# Allegro board 1281021_HW-FMC-XM500_Rev1_0.brd (continued)
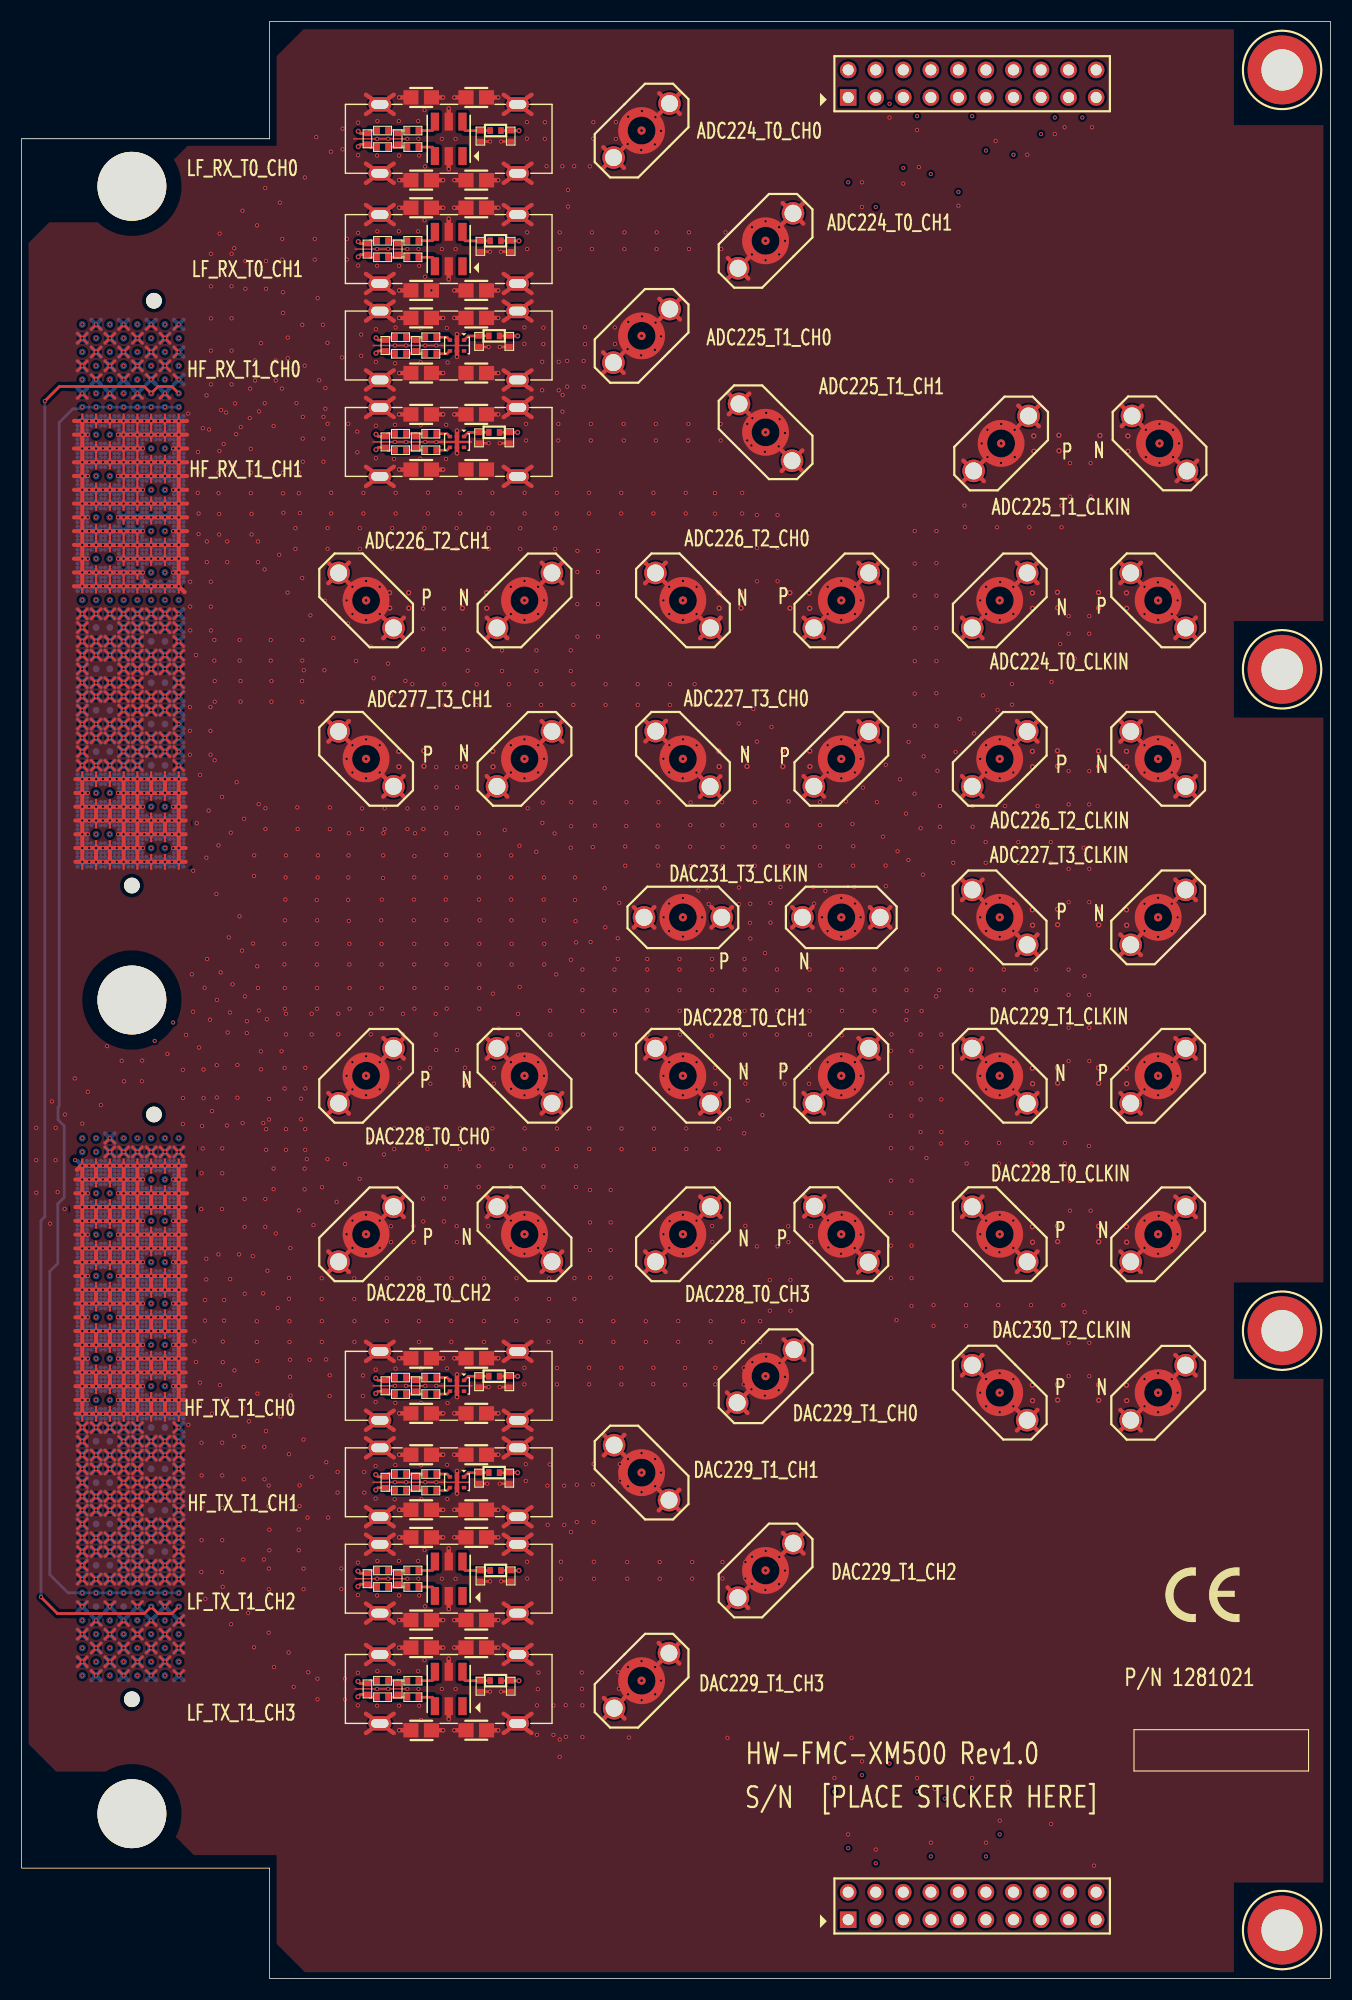
[diagram p0: board, top side]
## Routing (per net, layer and track width the routed paths; a pad name or vN(x,y) marks a point on that pad's centre or on a via; arc(x,y) is an arc through that point) (continued)
; v2(10.67,46.96) 10.23,47.39 ; v2(10.67,46.96) 11.11,46.52 ; v2(10.67,46.96) 10.23,46.52 ; v2(6.86,52.04) 7.3,52.47 ; v2(6.86,52.04) 6.42,52.47 ; v2(6.86,52.04) 6.42,51.6 ; v2(6.86,52.04) 7.3,51.6 ; 8.96,28.34 v2(9.4,27.91) ; v2(9.4,27.91) 9.84,27.47 ; v2(9.4,27.91) 8.96,27.47 ; v2(9.4,27.91) 9.84,28.34 ; 106.36,101.27 J892.2 ; J892.2 106.36,99.37 ; J892.2 108.26,99.37 ; J892.2 108.26,101.27 ; v2(5.59,66.01) 6.03,65.57 ; v2(5.59,66.01) 5.15,66.44 ; v2(5.59,66.01) 6.03,66.44 ; v2(5.59,66.01) 5.15,65.57 ; v2(13.21,143.54) 13.65,143.11 ; v2(13.21,143.54) 12.77,143.11 ; v2(13.21,143.54) 12.77,143.98 ; v2(13.21,143.54) 13.65,143.98 ; v2(5.59,129.57) 6.03,130.01 ; v2(5.59,129.57) 6.03,129.14 ; v2(5.59,129.57) 5.15,130.01 ; v2(5.59,129.57) 5.15,129.14 ; v2(6.86,50.77) 7.3,51.2 ; v2(6.86,50.77) 6.42,51.2 ; v2(6.86,50.77) 6.42,50.33 ; v2(6.86,50.77) 7.3,50.33 ; 14.04,141.84 v2(14.48,142.27) ; v2(14.48,142.27) 14.04,142.71 ; v2(14.48,142.27) 14.92,142.71 ; v2(14.48,142.27) 14.92,141.84 ; RFCAGE5.3 47,143.89 ; RFCAGE5.3 47,145.67 ; RFCAGE5.3 44.44,145.67 ; RFCAGE5.3 44.44,143.89 ; 91.75,94.31 J891.2 ; J891.2 93.65,96.21 ; J891.2 93.65,94.31 ; J891.2 91.75,96.21 ; 5.15,117.31 v2(5.59,116.87) ; v2(5.59,116.87) 6.03,116.44 ; v2(5.59,116.87) 5.15,116.44 ; v2(5.59,116.87) 6.03,117.31 ; 8.96,117.71 v2(9.4,118.14) ; v2(9.4,118.14) 9.84,117.71 ; v2(9.4,118.14) 8.96,118.58 ; v2(9.4,118.14) 9.84,118.58 ; RFCAGE3.4 34.3,49.79 ; RFCAGE3.4 34.3,48 ; RFCAGE3.4 31.74,49.79 ; RFCAGE3.4 31.74,48 ; v2(14.48,107.98) 14.92,108.42 ; v2(14.48,107.98) 14.04,108.42 ; v2(14.48,107.98) 14.92,107.55 ; v2(14.48,107.98) 14.04,107.55 ; J2.3 55.51,149.87 ; J2.3 55.51,147.97 ; J2.3 53.6,147.97 ; J2.3 53.6,149.87 ; 10.23,29.61 v2(10.67,29.18) ; v2(10.67,29.18) 10.23,28.74 ; v2(10.67,29.18) 11.11,29.61 ; v2(10.67,29.18) 11.11,28.74 ; 44.44,155.32 RFCAGE7.2 ; RFCAGE7.2 47,155.32 ; RFCAGE7.2 47,157.1 ; RFCAGE7.2 44.44,157.1 ; 14.04,38.9 v2(14.48,39.34) ; v2(14.48,39.34) 14.92,39.77 ; v2(14.48,39.34) 14.04,39.77 ; v2(14.48,39.34) 14.92,38.9 ; v2(10.67,119.41) 11.11,119.85 ; v2(10.67,119.41) 10.23,118.98 ; v2(10.67,119.41) 10.23,119.85 ; v2(10.67,119.41) 11.11,118.98 ; 78.2,96.84 J899.3 ; J899.3 80.1,98.74 ; J899.3 78.2,98.74 ; J899.3 80.1,96.84 ; v2(6.86,133.38) 7.3,133.82 ; v2(6.86,133.38) 6.42,132.95 ; v2(6.86,133.38) 6.42,133.82 ; v2(6.86,133.38) 7.3,132.95 ; v2(11.94,57.12) 12.38,56.68 ; v2(11.94,57.12) 11.5,56.68 ; v2(11.94,57.12) 11.5,57.55 ; v2(11.94,57.12) 12.38,57.55 ; v2(6.86,62.2) 7.3,61.76 ; v2(6.86,62.2) 6.42,62.63 ; v2(6.86,62.2) 6.42,61.76 ; v2(6.86,62.2) 7.3,62.63 ; v2(8.13,114.33) 8.57,113.9 ; v2(8.13,114.33) 7.69,114.77 ; v2(8.13,114.33) 7.69,113.9 ; v2(8.13,114.33) 8.57,114.77 ; 12.77,65.17 v2(13.21,64.74) ; v2(13.21,64.74) 13.65,65.17 ; v2(13.21,64.74) 13.65,64.3 ; v2(13.21,64.74) 12.77,64.3 ; 14.04,118.98 v2(14.48,119.41) ; v2(14.48,119.41) 14.04,119.85 ; v2(14.48,119.41) 14.92,119.85 ; v2(14.48,119.41) 14.92,118.98 ; v2(14.48,36.8) 14.92,36.36 ; v2(14.48,36.8) 14.04,37.23 ; v2(14.48,36.8) 14.92,37.23 ; v2(14.48,36.8) 14.04,36.36 ; J36.3 59.4,114 ; J36.3 59.4,115.9 ; J36.3 57.5,115.9 ; J36.3 57.5,114 ; 86.69,108.91 J893.3 ; J893.3 86.69,110.81 ; J893.3 88.59,108.91 ; J893.3 88.59,110.81 ; v2(5.59,44.42) 6.03,43.98 ; v2(5.59,44.42) 6.03,44.85 ; v2(5.59,44.42) 5.15,43.98 ; v2(5.59,44.42) 5.15,44.85 ; 12.77,63.03 v2(13.21,63.47) ; v2(13.21,63.47) 12.77,63.9 ; v2(13.21,63.47) 13.65,63.03 ; v2(13.21,63.47) 13.65,63.9 ; v2(9.4,132.11) 9.84,132.55 ; v2(9.4,132.11) 8.96,132.55 ; v2(9.4,132.11) 8.96,131.68 ; v2(9.4,132.11) 9.84,131.68 ; 5.15,132.55 v2(5.59,132.11) ; v2(5.59,132.11) 6.03,131.68 ; v2(5.59,132.11) 6.03,132.55 ; v2(5.59,132.11) 5.15,131.68 ; 14.04,114.77 v2(14.48,114.33) ; v2(14.48,114.33) 14.92,114.77 ; v2(14.48,114.33) 14.92,113.9 ; v2(14.48,114.33) 14.04,113.9 ; 10.23,49.93 v2(10.67,49.5) ; v2(10.67,49.5) 11.11,49.93 ; v2(10.67,49.5) 10.23,49.06 ; v2(10.67,49.5) 11.11,49.06 ; J34.3 30.17,128.58 ; J34.3 28.27,128.58 ; J34.3 30.17,130.48 ; J34.3 28.27,130.48 ; 5.15,114.77 v2(5.59,114.33) ; v2(5.59,114.33) 6.03,113.9 ; v2(5.59,114.33) 6.03,114.77 ; v2(5.59,114.33) 5.15,113.9 ; v2(11.94,147.35) 12.38,147.79 ; v2(11.94,147.35) 12.38,146.92 ; v2(11.94,147.35) 11.5,146.92 ; v2(11.94,147.35) 11.5,147.79 ; v2(10.67,31.72) 11.11,32.15 ; v2(10.67,31.72) 10.23,32.15 ; v2(10.67,31.72) 10.23,31.28 ; v2(10.67,31.72) 11.11,31.28 ; v2(5.59,107.98) 6.03,108.42 ; v2(5.59,107.98) 5.15,108.42 ; v2(5.59,107.98) 6.03,107.55 ; v2(5.59,107.98) 5.15,107.55 ; v2(13.21,135.92) 13.65,135.49 ; v2(13.21,135.92) 12.77,136.36 ; v2(13.21,135.92) 13.65,136.36 ; v2(13.21,135.92) 12.77,135.49 ; 6.42,129.14 v2(6.86,129.57) ; v2(6.86,129.57) 7.3,130.01 ; v2(6.86,129.57) 6.42,130.01 ; v2(6.86,129.57) 7.3,129.14 ; 8.96,63.9 v2(9.4,63.47) ; v2(9.4,63.47) 9.84,63.03 ; v2(9.4,63.47) 8.96,63.03 ; v2(9.4,63.47) 9.84,63.9 ; v2(14.48,57.12) 14.92,56.68 ; v2(14.48,57.12) 14.92,57.55 ; v2(14.48,57.12) 14.04,57.55 ; v2(14.48,57.12) 14.04,56.68 ; 8.96,102.47 v2(9.4,102.9) ; v2(9.4,102.9) 9.84,102.47 ; v2(9.4,102.9) 8.96,103.34 ; v2(9.4,102.9) 9.84,103.34 ; v2(10.67,58.39) 11.11,58.82 ; v2(10.67,58.39) 10.23,57.95 ; v2(10.67,58.39) 10.23,58.82 ; v2(10.67,58.39) 11.11,57.95 ; 28.27,79.7 J26.3 ; J26.3 28.27,81.6 ; J26.3 30.17,81.6 ; J26.3 30.17,79.7 ; J895.2 88.59,84.77 ; J895.2 86.69,84.77 ; J895.2 86.69,86.67 ; J895.2 88.59,86.67 ; 11.5,37.63 v2(11.94,38.07) ; v2(11.94,38.07) 12.38,37.63 ; v2(11.94,38.07) 12.38,38.5 ; v2(11.94,38.07) 11.5,38.5 ; v2(8.13,77.44) 8.57,77 ; v2(8.13,77.44) 7.69,77.87 ; v2(8.13,77.44) 7.69,77 ; v2(8.13,77.44) 8.57,77.87 ; J7.2 72.15,56.99 ; J7.2 72.15,58.9 ; J7.2 70.25,56.99 ; J7.2 70.25,58.9 ; v2(13.21,41.88) 13.65,42.31 ; v2(13.21,41.88) 12.77,41.44 ; v2(13.21,41.88) 12.77,42.31 ; v2(13.21,41.88) 13.65,41.44 ; v2(8.13,39.34) 8.57,38.9 ; v2(8.13,39.34) 7.69,38.9 ; v2(8.13,39.34) 7.69,39.77 ; v2(8.13,39.34) 8.57,39.77 ; v2(6.86,139.73) 7.3,139.3 ; v2(6.86,139.73) 7.3,140.17 ; v2(6.86,139.73) 6.42,139.3 ; v2(6.86,139.73) 6.42,140.17 ; v2(14.48,72.36) 14.92,72.79 ; v2(14.48,72.36) 14.04,71.92 ; v2(14.48,72.36) 14.92,71.92 ; v2(14.48,72.36) 14.04,72.79 ; 6.42,42.71 v2(6.86,43.15) ; v2(6.86,43.15) 7.3,43.58 ; v2(6.86,43.15) 7.3,42.71 ; v2(6.86,43.15) 6.42,43.58 ; 33.33,84.77 J26.2 ; J26.2 33.33,86.67 ; J26.2 35.23,86.67 ; J26.2 35.23,84.77 ; 14.04,62.63 v2(14.48,62.2) ; v2(14.48,62.2) 14.04,61.76 ; v2(14.48,62.2) 14.92,61.76 ; v2(14.48,62.2) 14.92,62.63 ; 14.04,75.33 v2(14.48,74.9) ; v2(14.48,74.9) 14.92,74.46 ; v2(14.48,74.9) 14.92,75.33 ; v2(14.48,74.9) 14.04,74.46 ; v2(8.13,115.6) 8.57,115.17 ; v2(8.13,115.6) 8.57,116.04 ; v2(8.13,115.6) 7.69,115.17 ; v2(8.13,115.6) 7.69,116.04 ; v2(10.67,109.25) 11.11,109.69 ; v2(10.67,109.25) 11.11,108.82 ; v2(10.67,109.25) 10.23,109.69 ; v2(10.67,109.25) 10.23,108.82 ; 14.04,149.46 v2(14.48,149.89) ; v2(14.48,149.89) 14.92,150.33 ; v2(14.48,149.89) 14.92,149.46 ; v2(14.48,149.89) 14.04,150.33 ; 10.23,110.96 v2(10.67,110.52) ; v2(10.67,110.52) 10.23,110.09 ; v2(10.67,110.52) 11.11,110.09 ; v2(10.67,110.52) 11.11,110.96 ; v2(14.48,105.44) 14.92,105.01 ; v2(14.48,105.44) 14.04,105.01 ; v2(14.48,105.44) 14.92,105.88 ; v2(14.48,105.44) 14.04,105.88 ; 7.69,52.47 v2(8.13,52.04) ; v2(8.13,52.04) 8.57,52.47 ; v2(8.13,52.04) 7.69,51.6 ; v2(8.13,52.04) 8.57,51.6 ; v2(5.59,115.6) 6.03,115.17 ; v2(5.59,115.6) 5.15,116.04 ; v2(5.59,115.6) 5.15,115.17 ; v2(5.59,115.6) 6.03,116.04 ; 12.77,135.09 v2(13.21,134.65) ; v2(13.21,134.65) 13.65,134.22 ; v2(13.21,134.65) 12.77,134.22 ; v2(13.21,134.65) 13.65,135.09 ; v2(5.59,138.46) 6.03,138.03 ; v2(5.59,138.46) 5.15,138.03 ; v2(5.59,138.46) 5.15,138.9 ; v2(5.59,138.46) 6.03,138.9 ; v2(14.48,141) 14.92,141.44 ; v2(14.48,141) 14.04,141.44 ; v2(14.48,141) 14.92,140.57 ; v2(14.48,141) 14.04,140.57 ; v2(11.94,63.47) 12.38,63.9 ; v2(11.94,63.47) 11.5,63.9 ; v2(11.94,63.47) 12.38,63.03 ; v2(11.94,63.47) 11.5,63.03 ; 77.15,86.67 J20.2 ; J20.2 77.15,84.77 ; J20.2 79.05,84.77 ; J20.2 79.05,86.67 ; 5.15,70.25 v2(5.59,69.82) ; v2(5.59,69.82) 5.15,69.38 ; v2(5.59,69.82) 6.03,70.25 ; v2(5.59,69.82) 6.03,69.38 ; v2(13.21,38.07) 13.65,38.5 ; v2(13.21,38.07) 12.77,38.5 ; v2(13.21,38.07) 13.65,37.63 ; v2(13.21,38.07) 12.77,37.63 ; J890.2 103.32,143.05 ; J890.2 101.42,144.95 ; J890.2 103.32,144.95 ; J890.2 101.42,143.05 ; v2(9.4,142.27) 9.84,141.84 ; v2(9.4,142.27) 8.96,141.84 ; v2(9.4,142.27) 8.96,142.71 ; v2(9.4,142.27) 9.84,142.71 ; v2(11.94,121.95) 12.38,121.52 ; v2(11.94,121.95) 11.5,121.52 ; v2(11.94,121.95) 11.5,122.39 ; v2(11.94,121.95) 12.38,122.39 ; 8.96,111.36 v2(9.4,111.79) ; v2(9.4,111.79) 8.96,112.23 ; v2(9.4,111.79) 9.84,111.36 ; v2(9.4,111.79) 9.84,112.23 ; 70.07,140.83 J1.3 ; J1.3 71.97,140.83 ; J1.3 71.97,138.92 ; J1.3 70.07,138.92 ; 7.69,41.04 v2(8.13,40.61) ; v2(8.13,40.61) 7.69,40.17 ; v2(8.13,40.61) 8.57,41.04 ; v2(8.13,40.61) 8.57,40.17 ; 12.77,132.55 v2(13.21,132.11) ; v2(13.21,132.11) 13.65,132.55 ; v2(13.21,132.11) 12.77,131.68 ; v2(13.21,132.11) 13.65,131.68 ; v2(11.94,72.36) 12.38,72.79 ; v2(11.94,72.36) 12.38,71.92 ; v2(11.94,72.36) 11.5,71.92 ; v2(11.94,72.36) 11.5,72.79 ; 5.15,55.01 v2(5.59,54.58) ; v2(5.59,54.58) 6.03,55.01 ; v2(5.59,54.58) 6.03,54.14 ; v2(5.59,54.58) 5.15,54.14 ; 14.04,38.5 v2(14.48,38.07) ; v2(14.48,38.07) 14.92,37.63 ; v2(14.48,38.07) 14.92,38.5 ; v2(14.48,38.07) 14.04,37.63 ; v2(10.67,50.77) 11.11,50.33 ; v2(10.67,50.77) 10.23,51.2 ; v2(10.67,50.77) 11.11,51.2 ; v2(10.67,50.77) 10.23,50.33 ; 86.81,137.99 J889.2 ; J889.2 86.81,139.89 ; J889.2 88.72,139.89 ; J889.2 88.72,137.99 ; 7.69,31.28 v2(8.13,31.72) ; v2(8.13,31.72) 8.57,31.28 ; v2(8.13,31.72) 8.57,32.15 ; v2(8.13,31.72) 7.69,32.15 ; 12.77,33.82 v2(13.21,34.26) ; v2(13.21,34.26) 13.65,33.82 ; v2(13.21,34.26) 13.65,34.69 ; v2(13.21,34.26) 12.77,34.69 ; v2(5.59,29.18) 6.03,29.61 ; v2(5.59,29.18) 6.03,28.74 ; v2(5.59,29.18) 5.15,28.74 ; v2(5.59,29.18) 5.15,29.61 ; v2(8.13,135.92) 8.57,135.49 ; v2(8.13,135.92) 8.57,136.36 ; v2(8.13,135.92) 7.69,136.36 ; v2(8.13,135.92) 7.69,135.49 ; v2(10.67,68.55) 11.11,68.11 ; v2(10.67,68.55) 10.23,68.98 ; v2(10.67,68.55) 10.23,68.11 ; v2(10.67,68.55) 11.11,68.98 ; 10.23,124.93 v2(10.67,124.49) ; v2(10.67,124.49) 11.11,124.93 ; v2(10.67,124.49) 10.23,124.06 ; v2(10.67,124.49) 11.11,124.06 ; v2(13.21,31.72) 13.65,31.28 ; v2(13.21,31.72) 12.77,32.15 ; v2(13.21,31.72) 13.65,32.15 ; v2(13.21,31.72) 12.77,31.28 ; v2(13.21,148.62) 13.65,148.19 ; v2(13.21,148.62) 12.77,149.06 ; v2(13.21,148.62) 13.65,149.06 ; v2(13.21,148.62) 12.77,148.19 ; 14.04,47.39 v2(14.48,46.96) ; v2(14.48,46.96) 14.04,46.52 ; v2(14.48,46.96) 14.92,47.39 ; v2(14.48,46.96) 14.92,46.52 ; v2(13.21,138.46) 13.65,138.03 ; v2(13.21,138.46) 12.77,138.9 ; v2(13.21,138.46) 12.77,138.03 ; v2(13.21,138.46) 13.65,138.9 ; 7.69,103.34 v2(8.13,102.9) ; v2(8.13,102.9) 8.57,102.47 ; v2(8.13,102.9) 8.57,103.34 ; v2(8.13,102.9) 7.69,102.47 ; v2(10.67,40.61) 11.11,40.17 ; v2(10.67,40.61) 10.23,41.04 ; v2(10.67,40.61) 10.23,40.17 ; v2(10.67,40.61) 11.11,41.04 ; 31.74,155.32 RFCAGE7.1 ; RFCAGE7.1 34.3,155.32 ; RFCAGE7.1 31.74,157.1 ; RFCAGE7.1 34.3,157.1 ; v2(8.13,121.95) 8.57,122.39 ; v2(8.13,121.95) 8.57,121.52 ; v2(8.13,121.95) 7.69,121.52 ; v2(8.13,121.95) 7.69,122.39 ; 8.96,65.57 v2(9.4,66.01) ; v2(9.4,66.01) 9.84,66.44 ; v2(9.4,66.01) 8.96,66.44 ; v2(9.4,66.01) 9.84,65.57 ; v2(10.67,57.12) 11.11,57.55 ; v2(10.67,57.12) 10.23,57.55 ; v2(10.67,57.12) 11.11,56.68 ; v2(10.67,57.12) 10.23,56.68 ; 6.42,128.74 v2(6.86,128.3) ; v2(6.86,128.3) 7.3,127.87 ; v2(6.86,128.3) 6.42,127.87 ; v2(6.86,128.3) 7.3,128.74 ; 14.04,43.98 v2(14.48,44.42) ; v2(14.48,44.42) 14.04,44.85 ; v2(14.48,44.42) 14.92,43.98 ; v2(14.48,44.42) 14.92,44.85 ; 11.5,52.87 v2(11.94,53.31) ; v2(11.94,53.31) 12.38,53.74 ; v2(11.94,53.31) 11.5,53.74 ; v2(11.94,53.31) 12.38,52.87 ; 6.42,70.65 v2(6.86,71.09) ; v2(6.86,71.09) 7.3,71.52 ; v2(6.86,71.09) 7.3,70.65 ; v2(6.86,71.09) 6.42,71.52 ; RFCAGE1.2 47,24.39 ; RFCAGE1.2 47,22.6 ; RFCAGE1.2 44.44,22.6 ; RFCAGE1.2 44.44,24.39 ; v2(13.21,106.71) 13.65,106.28 ; v2(13.21,106.71) 12.77,106.28 ; v2(13.21,106.71) 13.65,107.15 ; v2(13.21,106.71) 12.77,107.15 ; v2(13.21,48.23) 13.65,48.66 ; v2(13.21,48.23) 12.77,48.66 ; v2(13.21,48.23) 13.65,47.79 ; v2(13.21,48.23) 12.77,47.79 ; 58.79,154.8 J2.2 ; J2.2 58.79,152.9 ; J2.2 60.7,152.9 ; J2.2 60.7,154.8 ; 6.42,75.33 v2(6.86,74.9) ; v2(6.86,74.9) 6.42,74.46 ; v2(6.86,74.9) 7.3,74.46 ; v2(6.86,74.9) 7.3,75.33 ; v2(5.59,53.31) 6.03,52.87 ; v2(5.59,53.31) 5.15,53.74 ; v2(5.59,53.31) 5.15,52.87 ; v2(5.59,53.31) 6.03,53.74 ; 7.69,141.44 v2(8.13,141) ; v2(8.13,141) 8.57,141.44 ; v2(8.13,141) 8.57,140.57 ; v2(8.13,141) 7.69,140.57 ; 5.15,63.9 v2(5.59,63.47) ; v2(5.59,63.47) 6.03,63.9 ; v2(5.59,63.47) 5.15,63.03 ; v2(5.59,63.47) 6.03,63.03 ; 11.5,132.55 v2(11.94,132.11) ; v2(11.94,132.11) 12.38,132.55 ; v2(11.94,132.11) 12.38,131.68 ; v2(11.94,132.11) 11.5,131.68 ; 14.04,117.71 v2(14.48,118.14) ; v2(14.48,118.14) 14.04,118.58 ; v2(14.48,118.14) 14.92,117.71 ; v2(14.48,118.14) 14.92,118.58 ; 10.23,45.25 v2(10.67,45.69) ; v2(10.67,45.69) 11.11,46.12 ; v2(10.67,45.69) 10.23,46.12 ; v2(10.67,45.69) 11.11,45.25 ; J40.3 49.84,115.88 ; J40.3 47.94,115.88 ; J40.3 47.94,113.98 ; J40.3 49.84,113.98 ; 11.5,134.22 v2(11.94,134.65) ; v2(11.94,134.65) 12.38,135.09 ; v2(11.94,134.65) 12.38,134.22 ; v2(11.94,134.65) 11.5,135.09 ; v2(9.4,119.41) 9.84,118.98 ; v2(9.4,119.41) 9.84,119.85 ; v2(9.4,119.41) 8.96,119.85 ; v2(9.4,119.41) 8.96,118.98 ; 10.23,73.19 v2(10.67,73.63) ; v2(10.67,73.63) 10.23,74.06 ; v2(10.67,73.63) 11.11,74.06 ; v2(10.67,73.63) 11.11,73.19 ; 5.15,130.41 v2(5.59,130.84) ; v2(5.59,130.84) 5.15,131.28 ; v2(5.59,130.84) 6.03,131.28 ; v2(5.59,130.84) 6.03,130.41 ; J897.2 103.19,50.49 ; J897.2 101.29,50.49 ; J897.2 103.19,52.39 ; J897.2 101.29,52.39 ; v2(11.94,110.52) 12.38,110.96 ; v2(11.94,110.52) 11.5,110.09 ; v2(11.94,110.52) 12.38,110.09 ; v2(11.94,110.52) 11.5,110.96 ; v2(6.86,73.63) 7.3,74.06 ; v2(6.86,73.63) 7.3,73.19 ; v2(6.86,73.63) 6.42,73.19 ; v2(6.86,73.63) 6.42,74.06 ; v2(9.4,147.35) 9.84,147.79 ; v2(9.4,147.35) 8.96,146.92 ; v2(9.4,147.35) 9.84,146.92 ; v2(9.4,147.35) 8.96,147.79 ; 8.96,107.15 v2(9.4,106.71) ; v2(9.4,106.71) 9.84,107.15 ; v2(9.4,106.71) 8.96,106.28 ; v2(9.4,106.71) 9.84,106.28 ; 53.67,23.94 J6.3 ; J6.3 55.57,25.84 ; J6.3 55.57,23.94 ; J6.3 53.67,25.84 ; 7.69,151.6 v2(8.13,151.16) ; v2(8.13,151.16) 7.69,150.73 ; v2(8.13,151.16) 8.57,150.73 ; v2(8.13,151.16) 8.57,151.6 ; v2(8.13,66.01) 8.57,66.44 ; v2(8.13,66.01) 7.69,65.57 ; v2(8.13,66.01) 8.57,65.57 ; v2(8.13,66.01) 7.69,66.44 ; 8.96,130.01 v2(9.4,129.57) ; v2(9.4,129.57) 9.84,130.01 ; v2(9.4,129.57) 9.84,129.14 ; v2(9.4,129.57) 8.96,129.14 ; 14.04,121.12 v2(14.48,120.68) ; v2(14.48,120.68) 14.04,120.25 ; v2(14.48,120.68) 14.92,120.25 ; v2(14.48,120.68) 14.92,121.12 ; v2(14.48,73.63) 14.92,74.06 ; v2(14.48,73.63) 14.92,73.19 ; v2(14.48,73.63) 14.04,74.06 ; v2(14.48,73.63) 14.04,73.19 ; v2(11.94,114.33) 12.38,114.77 ; v2(11.94,114.33) 11.5,114.77 ; v2(11.94,114.33) 11.5,113.9 ; v2(11.94,114.33) 12.38,113.9 ; 44.44,171.83 RFCAGE8.3 ; RFCAGE8.3 47,171.83 ; RFCAGE8.3 44.44,173.61 ; RFCAGE8.3 47,173.61 ; 8.96,48.66 v2(9.4,48.23) ; v2(9.4,48.23) 9.84,47.79 ; v2(9.4,48.23) 9.84,48.66 ; v2(9.4,48.23) 8.96,47.79 ; 5.15,113.5 v2(5.59,113.06) ; v2(5.59,113.06) 6.03,113.5 ; v2(5.59,113.06) 6.03,112.63 ; v2(5.59,113.06) 5.15,112.63 ; 8.96,38.5 v2(9.4,38.07) ; v2(9.4,38.07) 9.84,38.5 ; v2(9.4,38.07) 9.84,37.63 ; v2(9.4,38.07) 8.96,37.63 ; J33.3 79.05,128.58 ; J33.3 79.05,130.48 ; J33.3 77.15,130.48 ; J33.3 77.15,128.58 ; J21.2 64.44,79.7 ; J21.2 64.44,81.6 ; J21.2 62.54,79.7 ; J21.2 62.54,81.6 ; 14.04,110.96 v2(14.48,110.52) ; v2(14.48,110.52) 14.92,110.09 ; v2(14.48,110.52) 14.92,110.96 ; v2(14.48,110.52) 14.04,110.09 ; 5.15,134.22 v2(5.59,134.65) ; v2(5.59,134.65) 6.03,135.09 ; v2(5.59,134.65) 6.03,134.22 ; v2(5.59,134.65) 5.15,135.09 ; v2(10.67,64.74) 11.11,65.17 ; v2(10.67,64.74) 10.23,64.3 ; v2(10.67,64.74) 10.23,65.17 ; v2(10.67,64.74) 11.11,64.3 ; v2(8.13,36.8) 8.57,36.36 ; v2(8.13,36.8) 8.57,37.23 ; v2(8.13,36.8) 7.69,36.36 ; v2(8.13,36.8) 7.69,37.23 ; 31.74,154.56 RFCAGE6.4 ; RFCAGE6.4 34.3,152.78 ; RFCAGE6.4 34.3,154.56 ; RFCAGE6.4 31.74,152.78 ; 14.04,143.11 v2(14.48,143.54) ; v2(14.48,143.54) 14.92,143.11 ; v2(14.48,143.54) 14.92,143.98 ; v2(14.48,143.54) 14.04,143.98 ; v2(14.48,68.55) 14.92,68.98 ; v2(14.48,68.55) 14.04,68.11 ; v2(14.48,68.55) 14.92,68.11 ; v2(14.48,68.55) 14.04,68.98 ; v2(8.13,58.39) 8.57,58.82 ; v2(8.13,58.39) 8.57,57.95 ; v2(8.13,58.39) 7.69,57.95 ; v2(8.13,58.39) 7.69,58.82 ; 31.74,50.54 RFCAGE4.1 ; RFCAGE4.1 34.3,52.33 ; RFCAGE4.1 34.3,50.54 ; RFCAGE4.1 31.74,52.33 ; 8.96,104.61 v2(9.4,104.17) ; v2(9.4,104.17) 9.84,104.61 ; v2(9.4,104.17) 9.84,103.74 ; v2(9.4,104.17) 8.96,103.74 ; 7.69,146.52 v2(8.13,146.08) ; v2(8.13,146.08) 8.57,145.65 ; v2(8.13,146.08) 7.69,145.65 ; v2(8.13,146.08) 8.57,146.52 ; v2(5.59,135.92) 6.03,136.36 ; v2(5.59,135.92) 6.03,135.49 ; v2(5.59,135.92) 5.15,136.36 ; v2(5.59,135.92) 5.15,135.49 ; v2(8.13,55.85) 8.57,56.28 ; v2(8.13,55.85) 7.69,56.28 ; v2(8.13,55.85) 8.57,55.41 ; v2(8.13,55.85) 7.69,55.41 ; v2(6.86,32.99) 7.3,33.42 ; v2(6.86,32.99) 6.42,32.55 ; v2(6.86,32.99) 6.42,33.42 ; v2(6.86,32.99) 7.3,32.55 ; v2(5.59,105.44) 6.03,105.01 ; v2(5.59,105.44) 5.15,105.88 ; v2(5.59,105.44) 5.15,105.01 ; v2(5.59,105.44) 6.03,105.88 ; 10.23,131.68 v2(10.67,132.11) ; v2(10.67,132.11) 10.23,132.55 ; v2(10.67,132.11) 11.11,132.55 ; v2(10.67,132.11) 11.11,131.68 ; 106.48,139.89 J890.3 ; J890.3 106.48,137.99 ; J890.3 108.38,139.89 ; J890.3 108.38,137.99 ; v2(6.86,121.95) 7.3,121.52 ; v2(6.86,121.95) 6.42,121.52 ; v2(6.86,121.95) 7.3,122.39 ; v2(6.86,121.95) 6.42,122.39 ; v2(14.48,111.79) 14.92,111.36 ; v2(14.48,111.79) 14.04,112.23 ; v2(14.48,111.79) 14.04,111.36 ; v2(14.48,111.79) 14.92,112.23 ; v2(6.86,63.47) 7.3,63.03 ; v2(6.86,63.47) 7.3,63.9 ; v2(6.86,63.47) 6.42,63.03 ; v2(6.86,63.47) 6.42,63.9 ; v2(14.48,139.73) 14.92,140.17 ; v2(14.48,139.73) 14.92,139.3 ; v2(14.48,139.73) 14.04,140.17 ; v2(14.48,139.73) 14.04,139.3 ; 8.96,30.01 v2(9.4,30.45) ; v2(9.4,30.45) 8.96,30.88 ; v2(9.4,30.45) 9.84,30.88 ; v2(9.4,30.45) 9.84,30.01 ; 8.96,52.47 v2(9.4,52.04) ; v2(9.4,52.04) 9.84,52.47 ; v2(9.4,52.04) 9.84,51.6 ; v2(9.4,52.04) 8.96,51.6 ; 11.5,46.12 v2(11.94,45.69) ; v2(11.94,45.69) 12.38,45.25 ; v2(11.94,45.69) 11.5,45.25 ; v2(11.94,45.69) 12.38,46.12 ; v2(10.67,111.79) 11.11,112.23 ; v2(10.67,111.79) 10.23,112.23 ; v2(10.67,111.79) 10.23,111.36 ; v2(10.67,111.79) 11.11,111.36 ; v2(14.48,67.28) 14.92,67.71 ; v2(14.48,67.28) 14.92,66.84 ; v2(14.48,67.28) 14.04,66.84 ; v2(14.48,67.28) 14.04,67.71 ; 44.44,49.79 RFCAGE3.3 ; RFCAGE3.3 44.44,48 ; RFCAGE3.3 47,48 ; RFCAGE3.3 47,49.79 ; 42.87,125.42 J35.2 ; J35.2 44.77,123.52 ; J35.2 42.87,123.52 ; J35.2 44.77,125.42 ; v2(14.48,104.17) 14.92,103.74 ; v2(14.48,104.17) 14.04,104.61 ; v2(14.48,104.17) 14.04,103.74 ; v2(14.48,104.17) 14.92,104.61 ; v2(5.59,55.85) 6.03,55.41 ; v2(5.59,55.85) 5.15,55.41 ; v2(5.59,55.85) 5.15,56.28 ; v2(5.59,55.85) 6.03,56.28 ; 10.23,107.55 v2(10.67,107.98) ; v2(10.67,107.98) 11.11,107.55 ; v2(10.67,107.98) 10.23,108.42 ; v2(10.67,107.98) 11.11,108.42 ; 6.42,28.34 v2(6.86,27.91) ; v2(6.86,27.91) 7.3,28.34 ; v2(6.86,27.91) 7.3,27.47 ; v2(6.86,27.91) 6.42,27.47 ; 33.33,125.42 J34.2 ; J34.2 33.33,123.52 ; J34.2 35.23,125.42 ; J34.2 35.23,123.52 ; v2(5.59,62.2) 6.03,62.63 ; v2(5.59,62.2) 6.03,61.76 ; v2(5.59,62.2) 5.15,61.76 ; v2(5.59,62.2) 5.15,62.63 ; v2(11.94,64.74) 12.38,65.17 ; v2(11.94,64.74) 11.5,65.17 ; v2(11.94,64.74) 12.38,64.3 ; v2(11.94,64.74) 11.5,64.3 ; v2(14.48,125.76) 14.92,125.33 ; v2(14.48,125.76) 14.92,126.2 ; v2(14.48,125.76) 14.04,125.33 ; v2(14.48,125.76) 14.04,126.2 ; 11.5,30.88 v2(11.94,30.45) ; v2(11.94,30.45) 11.5,30.01 ; v2(11.94,30.45) 12.38,30.88 ; v2(11.94,30.45) 12.38,30.01 ; 8.96,121.12 v2(9.4,120.68) ; v2(9.4,120.68) 8.96,120.25 ; v2(9.4,120.68) 9.84,121.12 ; v2(9.4,120.68) 9.84,120.25 ; J21.3 59.38,86.67 ; J21.3 57.48,84.77 ; J21.3 57.48,86.67 ; J21.3 59.38,84.77 ; 5.15,111.36 v2(5.59,111.79) 